# KiCad board spudglo_driver_v5p0.kicad_pcb
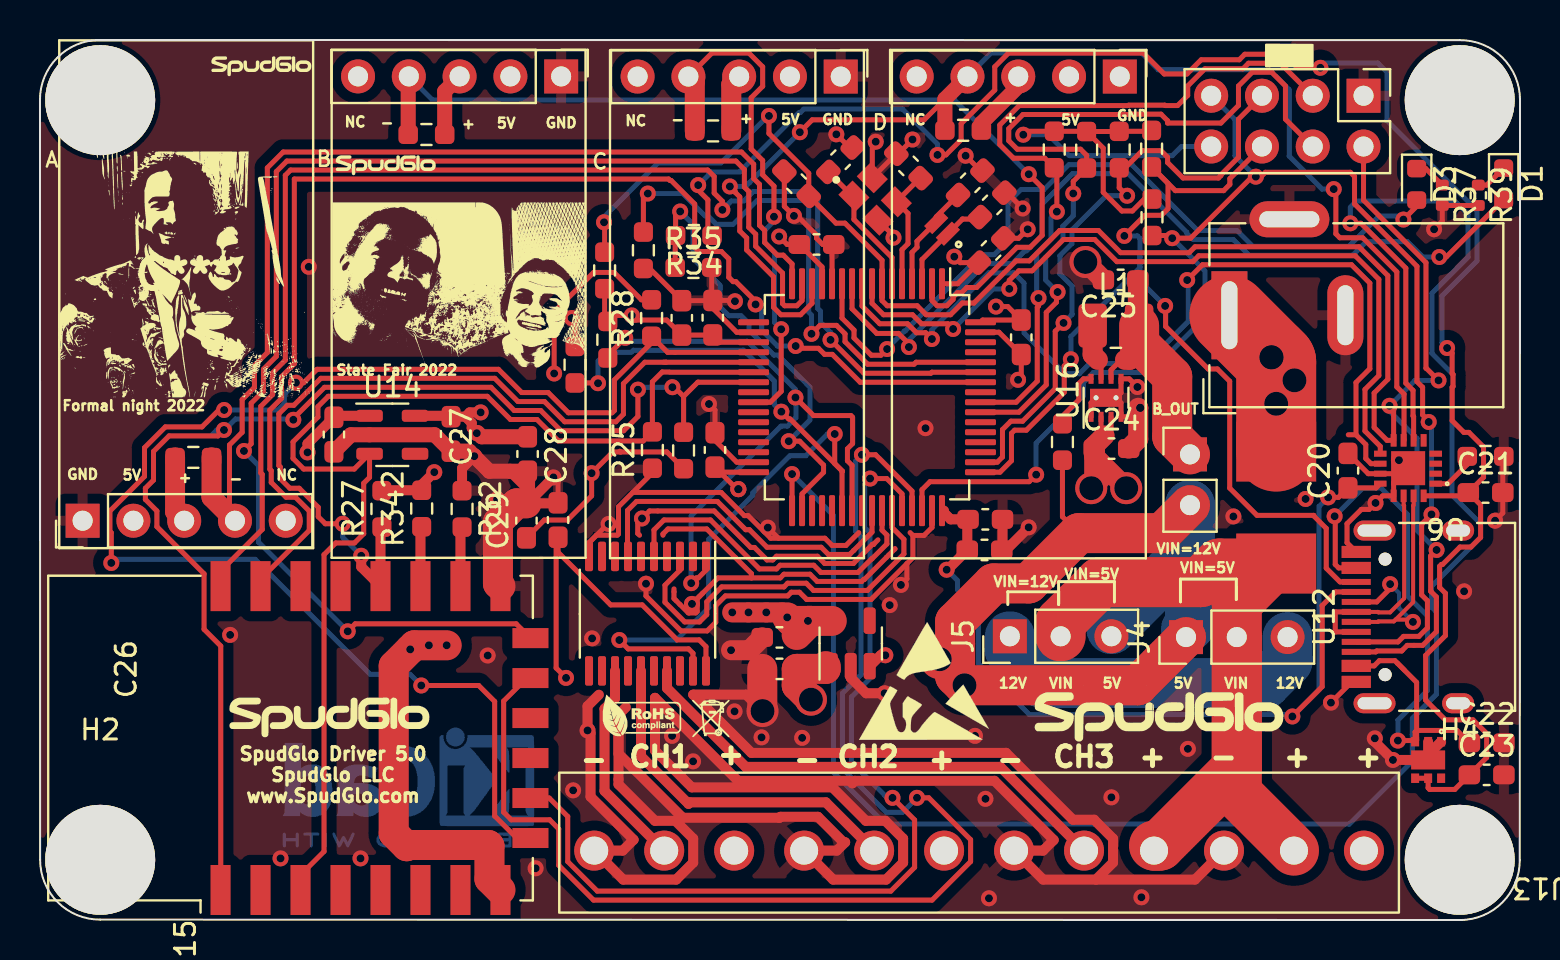
[diagram p0: board, top side]
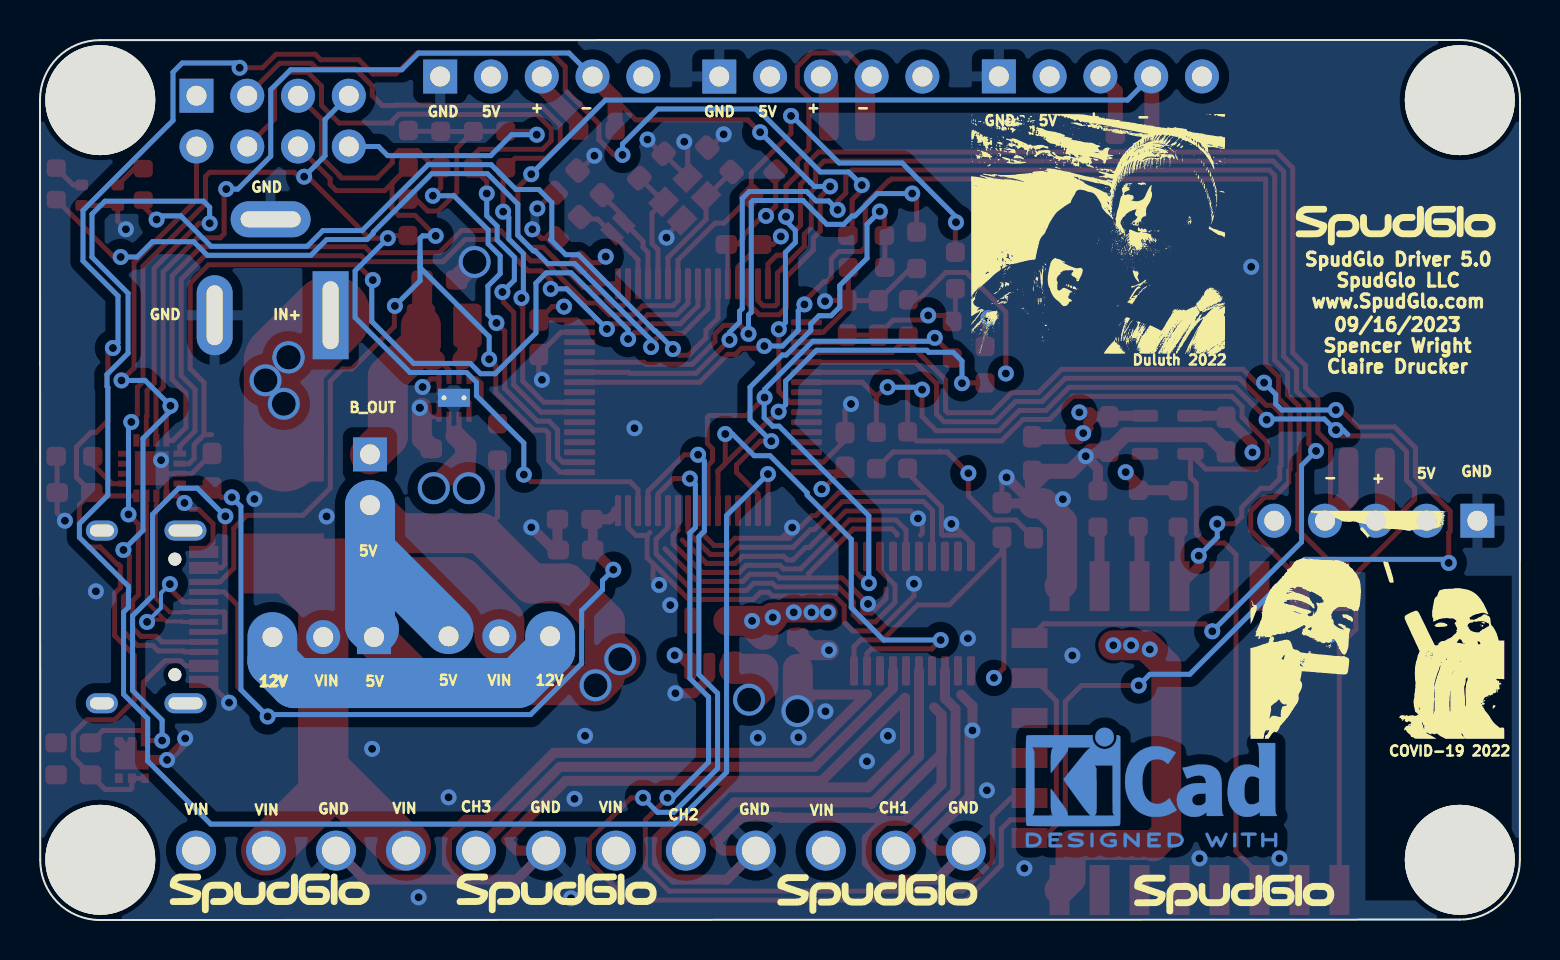
[diagram p1: board, bottom side, seen from below]

Outline 74.03 x 44.02 mm; copper layers: Top, GND.Cu (plane), PWR.Cu (plane), Bottom. Coordinates in mm from the lower left corner of the outline.
Outline path: 0,41.01 arc(0.87,43.14) 2.99,44.02 71.02,44.01 arc(73.14,43.15) 74.03,41.02 74.02,3.01 arc(73.15,0.88) 71.03,0 3.02,0.02 arc(0.89,0.89) 0.01,3.01 0,41.01
Stack: Top 0.035mm / dielectric 1.51mm FR4 er 4.5 / GND.Cu 0.035mm / dielectric 1.51mm FR4 er 4.5 / PWR.Cu 0.035mm / dielectric 1.51mm FR4 er 4.5 / Bottom 0.035mm

## Placement (name value [footprint] x y rotation side)
C3  6p  [C_0603_1608Metric_Pad1.08x0.95mm_HandSolder]  40.04 38.03 45 top
C4  8p  [C_0603_1608Metric_Pad1.08x0.95mm_HandSolder]  47.63 35.77 45 top
C5  8p  [C_0603_1608Metric_Pad1.08x0.95mm_HandSolder]  46.53 36.88 45 top
C6  0.1u  [C_0603_1608Metric_Pad1.08x0.95mm_HandSolder]  25.91 20.01 90 top
C7  6p  [C_0603_1608Metric_Pad1.08x0.95mm_HandSolder]  43.44 37.72 135 top
C8  0.1u  [C_0603_1608Metric_Pad1.08x0.95mm_HandSolder]  37.84 36.83 135 top
C9  0.1u  [C_0603_1608Metric_Pad1.08x0.95mm_HandSolder]  47.57 33.49 45 top
C10  0.1u  [C_0603_1608Metric_Pad1.08x0.95mm_HandSolder]  33.65 30.13 90 top
C11  0.1u  [C_0603_1608Metric_Pad1.08x0.95mm_HandSolder]  49.08 29.15 270 top
C12  0.1u  [C_0603_1608Metric_Pad1.08x0.95mm_HandSolder]  33.76 23.51 90 top
C13  0.1u  [C_0603_1608Metric_Pad1.08x0.95mm_HandSolder]  38.84 33.79 0 top
C14  4.7u  [C_0603_1608Metric_Pad1.08x0.95mm_HandSolder]  32.1 30.12 90 top
C15  1u  [C_0603_1608Metric_Pad1.08x0.95mm_HandSolder]  36.99 12.56 180 top
C16  0.01u  [C_0603_1608Metric_Pad1.08x0.95mm_HandSolder]  47.28 20.04 0 top
C17  1u  [C_0603_1608Metric_Pad1.08x0.95mm_HandSolder]  47.24 18.51 0 top
C18  1u  [C_0603_1608Metric_Pad1.08x0.95mm_HandSolder]  36.99 14.14 180 top
C20  1u  [C_0603_1608Metric_Pad1.08x0.95mm_HandSolder]  65.42 22.48 90 top
C21  1u  [C_0603_1608Metric_Pad1.08x0.95mm_HandSolder]  72.3 21.38 0 top
C22  1u  [C_0603_1608Metric_Pad1.08x0.95mm_HandSolder]  72.36 8.86 0 top
C23  1u  [C_0603_1608Metric_Pad1.08x0.95mm_HandSolder]  72.36 7.26 0 top
C24  10u  [C_0603_1608Metric_Pad1.08x0.95mm_HandSolder]  53.59 23.58 0 top
C25  22u  [C_0603_1608Metric_Pad1.08x0.95mm_HandSolder]  54.05 32.02 180 top
C26  1u  [C_0603_1608Metric_Pad1.08x0.95mm_HandSolder]  14.7 24.28 270 top
C27  1u  [C_0603_1608Metric_Pad1.08x0.95mm_HandSolder]  20.56 24.31 270 top
C28  1u  [C_0603_1608Metric_Pad1.08x0.95mm_HandSolder]  24.39 23.31 270 top
C29  10u  [C_0603_1608Metric_Pad1.08x0.95mm_HandSolder]  24.33 19.98 90 top
D1  GREEN LED  [LED_0603_1608Metric]  73.21 36.82 270 top
D3  RED_LED  [LED_0603_1608Metric]  68.86 36.8 270 top
F1  Fuse-2410FA  [2410FA]  65.83 23.43 270 top
G***  -  [LOGO]  11.07 42.71 0 top
G***#2  -  [LOGO]  33.55 10.07 0 top
G***#3  -  [LOGO]  17.29 37.75 0 top
G***#4  -  [LOGO]  30.12 10.2 0 top
G***#5  -  [LOGO]  20.98 31.66 0 top
G***#6  -  [LOGO]  14.47 10.13 0 top
G***#7  -  [LOGO]  7.26 32.29 0 top
G***#8  -  [LOGO]  55.9 10.32 0 top
G***#9  -  [LOGO]  14.3 1.27 180 bottom
G***#10  -  [LOGO]  6.22 34.73 180 bottom
G***#11  -  [LOGO]  7.13 14.77 180 bottom
G***#12  -  [LOGO]  62.54 1.33 180 bottom
G***#13  -  [LOGO]  21.1 34.33 180 bottom
G***#14  -  [LOGO]  48.19 1.33 180 bottom
G***#15  -  [LOGO]  32.15 1.3 180 bottom
H1  MountingHole  [MountingHole_5.5mm]  3.01 41.01 0 top
H2  MountingHole  [MountingHole_5.5mm]  3.01 3.01 0 top
H3  MountingHole  [MountingHole_5.5mm]  71.01 41.01 0 top
H4  MountingHole  [MountingHole_5.5mm]  71.01 3.01 0 top
J1  Conn_01x08_Male  [PinHeader_2x04_P2.54mm_Vertical]  66.2 41.23 270 top
J2  Barrel_Jack_Switch  [BarrelJack_Wuerth_6941xx301002]  59.49 30.25 90 top
J3  terminal_custom_12pin  [1984714]  66.22 3.47 180 top
J4  Conn_01x03_Pin  [PinHeader_1x03_P2.54mm_Vertical]  57.32 14.15 90 top
J5  Conn_01x03_Pin  [PinHeader_1x03_P2.54mm_Vertical]  48.51 14.19 90 top
J6  Conn_01x02_Pin  [PinHeader_1x02_P2.54mm_Vertical]  57.52 23.29 0 top
L1  L  [L_1008_2520Metric_Pad1.43x2.20mm_HandSolder]  53.81 29.73 0 top
R1  10k  [R_0603_1608Metric_Pad0.98x0.95mm_HandSolder]  7.67 23.14 0 top
R3  10k  [R_0603_1608Metric_Pad0.98x0.95mm_HandSolder]  46.17 39.5 180 top
R4  10k  [R_0603_1608Metric_Pad0.98x0.95mm_HandSolder]  33.66 39.47 180 top
R5  10k  [R_0603_1608Metric_Pad0.98x0.95mm_HandSolder]  19.33 39.29 180 top
R10  10k  [R_0603_1608Metric_Pad0.98x0.95mm_HandSolder]  72.3 23.19 0 top
R13  10k  [R_0603_1608Metric_Pad0.98x0.95mm_HandSolder]  30.18 33.5 270 top
R14  10k  [R_0603_1608Metric_Pad0.98x0.95mm_HandSolder]  28.4 29.03 270 top
R15  10k  [R_0603_1608Metric_Pad0.98x0.95mm_HandSolder]  28.24 32.49 90 top
R17  10k  [R_0603_1608Metric_Pad0.98x0.95mm_HandSolder]  26.76 27.78 90 top
R18  10k  [R_0603_1608Metric_Pad0.98x0.95mm_HandSolder]  55.62 35.15 270 top
R19  10k  [R_0603_1608Metric_Pad0.98x0.95mm_HandSolder]  55.6 38.58 270 top
R20  10k  [R_0603_1608Metric_Pad0.98x0.95mm_HandSolder]  53.98 38.54 270 top
R21  10k  [R_0603_1608Metric_Pad0.98x0.95mm_HandSolder]  52.35 38.53 270 top
R22  10k  [R_0603_1608Metric_Pad0.98x0.95mm_HandSolder]  50.73 38.54 270 top
R23  10k  [R_0603_1608Metric_Pad0.98x0.95mm_HandSolder]  51.14 23.91 90 top
R25  10k  [R_0603_1608Metric_Pad0.98x0.95mm_HandSolder]  30.63 23.51 90 top
R26  10k  [R_0603_1608Metric_Pad0.98x0.95mm_HandSolder]  32.19 23.49 270 top
R27  10k  [R_0603_1608Metric_Pad0.98x0.95mm_HandSolder]  17.1 20.56 90 top
R28  10k  [R_0603_1608Metric_Pad0.98x0.95mm_HandSolder]  30.59 30.11 90 top
R32  10k  [R_0603_1608Metric_Pad0.98x0.95mm_HandSolder]  21.11 20.56 270 top
R34  10k  [R_0603_1608Metric_Pad0.98x0.95mm_HandSolder]  32.7 34.24 180 top
R35  28k  [R_0603_1608Metric_Pad0.98x0.95mm_HandSolder]  32.68 32.64 0 top
R37  100  [R_0402_1005Metric]  70.14 36.25 270 top
R39  100  [R_0402_1005Metric]  71.94 36.25 270 top
R342  10k  [R_0603_1608Metric_Pad0.98x0.95mm_HandSolder]  19.09 20.58 90 top
REF**  -  [ESD-Logo_6.6x6mm_SilkScreen]  44.22 11.97 0 top
REF**#2  -  [KiCad-Logo2_5mm_Copper]  18.44 6.64 180 bottom
U1  receiver_433MHz  [PinHeader_1x05_P2.54mm_Vertical]  2.13 19.97 90 top
U3  receiver_433MHz  [PinHeader_1x05_P2.54mm_Vertical]  54.01 42.19 270 top
U4  receiver_433MHz  [PinHeader_1x05_P2.54mm_Vertical]  40.05 42.19 270 top
U5  receiver_433MHz  [PinHeader_1x05_P2.54mm_Vertical]  26.07 42.2 270 top
U6  -  [XR21B1411]  69.81 21.82 180 top
U7  ECS-.327-9-1210-TR  [XTAL_ECS-.327-9-1210-TR]  45.12 34.62 135 top
U8  ECS-480-8-36-RWN-TR  [XTAL_ECS-480-8-36-RWN-TR]  41.77 36.07 315 top
U9  SN74HCT245PW  [TSSOP-20_4.4x6.5mm_P0.65mm]  30.39 15.32 270 top
U10  STM32L431RCTx  [LQFP-64_10x10mm_P0.5mm]  41.37 26.15 270 top
U11  LP5907MFX-3.3  [SOT-23-5]  40.55 13.83 90 top
U12  USB-C-31-M-12  [USB_C_Receptacle_HRO_TYPE-C-31-M-12]  69.88 15.16 90 top
U13  -  [NCP361]  70.08 6.62 180 top
U14  LP5907MFX-3.3  [SOT-23-5]  17.62 24.27 0 top
U15  ESP-12F  [ESP-12E]  12.53 9.1 90 top
U16  TPS62163DSG  [WSON-8-1EP_2x2mm_P0.5mm_EP0.9x1.6mm_ThermalVias]  53.32 26.12 90 top

## Library data of the parts
D1 D3 = -: Description: Light emitting diode
H1-H4 = -: Description: Mounting Hole without connection
J1 = -: Description: Generic connector, single row, 01x08, script generated (kicad-library-utils/schlib/autogen/connector/)
J2 = -: Description: DC Barrel Jack with an internal switch
J4 J5 = -: Description: Generic connector, single row, 01x03, script generated
J6 = -: Description: Generic connector, single row, 01x02, script generated
L1 = -: Description: Inductor
R1 R3-R5 R10 R13-R15 R17-R23 R25-R28 R32 R34 R35 R37 R39 R342 = -: Description: Resistor
U7 = -: Description: Two pin crystal
U8 = -: AVAILABILITY: Good; DESCRIPTION: The minature ECX-2236 is a compact SMD Crystal. The industry standard 2.5 x 2.0 x 0.55 mm ceramic package is ideal for today’s SMD manufacturing environment.; MF: ECS INC; MP: ECX-2236; PACKAGE: SMD-4 ECX; PARTREV: 2017; STANDARD: Manufacturer Recommendation
U11 U14 = -: Description: 250-mA Ultra-Low-Noise Low-IQ LDO, 3.3V, SOT-23
U15 = -: Description: 802.11 b/g/n Wi-Fi Module
U16 = -: Description: 1A Step-Down Converter with DCS-Control, fixed 5.0V output, 3-17V input voltage, WSON-8

## Footprints (pads in the part's own frame, mm; a bottom-side part is the same pattern mirrored in y, then rotated)
2410FA
  rect 3x4 smd: 1(0,-4) 2(5.6,-4)
1984714
  round 2 hole 1.4: 1(0,0) 2(3.5,0) 3(7,0) 4(10.5,0) 5(14,0) 6(17.5,0) 7(21,0) 8(24.5,0) 9(28,0) 10(31.5,0) 11(35,0) 12(38.5,0)
BarrelJack_Wuerth_6941xx301002
  rect 4.4x1.8 hole 3.4x0.8: 1(0,0)
  oval 4x1.8 hole 3x0.8: 2(0,-5.8)
  oval 1.8x4 hole 0.8x3: 3(4.8,-3)
C_0603_1608Metric_Pad1.08x0.95mm_HandSolder
  rrect 1.075x0.95 smd: 1(-0.863,0) 2(0.863,0)
ESP-12E
  rect 2.5x1 smd: 1(-7.6,3.5) 2(-7.6,1.5) 3(-7.6,-0.5) 4(-7.6,-2.5) 5(-7.6,-4.5) 6(-7.6,-6.5) 7(-7.6,-8.5) 8(-7.6,-10.5) 15(7.6,-10.5) 16(7.6,-8.5) 17(7.6,-6.5) 18(7.6,-4.5) 19(7.6,-2.5) 20(7.6,-0.5) 21(7.6,1.5) 22(7.6,3.5)
  rect 1x1.8 smd: 9(-5,-12) 10(-3,-12) 11(-1,-12) 12(1,-12) 13(3,-12) 14(5,-12)
L_1008_2520Metric_Pad1.43x2.20mm_HandSolder
  rrect 1.425x2.2 smd: 1(-1.163,0) 2(1.163,0)
LED_0603_1608Metric
  rrect 0.875x0.95 smd: 1(-0.787,0) 2(0.787,0)
LQFP-64_10x10mm_P0.5mm
  rrect 1.55x0.3 smd: 1(-5.675,3.75) 2(-5.675,3.25) 3(-5.675,2.75) 4(-5.675,2.25) 5(-5.675,1.75) 6(-5.675,1.25) 7(-5.675,0.75) 8(-5.675,0.25) 9(-5.675,-0.25) 10(-5.675,-0.75) 11(-5.675,-1.25) 12(-5.675,-1.75) 13(-5.675,-2.25) 14(-5.675,-2.75) 15(-5.675,-3.25) 16(-5.675,-3.75) 33(5.675,-3.75) 34(5.675,-3.25) 35(5.675,-2.75) 36(5.675,-2.25) 37(5.675,-1.75) 38(5.675,-1.25) 39(5.675,-0.75) 40(5.675,-0.25) 41(5.675,0.25) 42(5.675,0.75) 43(5.675,1.25) 44(5.675,1.75) 45(5.675,2.25) 46(5.675,2.75) 47(5.675,3.25) 48(5.675,3.75)
  rrect 0.3x1.55 smd: 17(-3.75,-5.675) 18(-3.25,-5.675) 19(-2.75,-5.675) 20(-2.25,-5.675) 21(-1.75,-5.675) 22(-1.25,-5.675) 23(-0.75,-5.675) 24(-0.25,-5.675) 25(0.25,-5.675) 26(0.75,-5.675) 27(1.25,-5.675) 28(1.75,-5.675) 29(2.25,-5.675) 30(2.75,-5.675) 31(3.25,-5.675) 32(3.75,-5.675) 49(3.75,5.675) 50(3.25,5.675) 51(2.75,5.675) 52(2.25,5.675) 53(1.75,5.675) 54(1.25,5.675) 55(0.75,5.675) 56(0.25,5.675) 57(-0.25,5.675) 58(-0.75,5.675) 59(-1.25,5.675) 60(-1.75,5.675) 61(-2.25,5.675) 62(-2.75,5.675) 63(-3.25,5.675) 64(-3.75,5.675)
MountingHole_5.5mm
  round 5.5 hole 5.5 unplated: (0,0)
NCP361
  rect 0.4x0.47 smd: 1(0,-2.3) 2(0.65,-2.3) 3(1.3,-2.3) 4(1.3,-0.47) 5(0.65,-0.47) 6(0,-0.47)
  rect 1.7x0.95 smd: EPAD(0.65,-1.385)
PinHeader_1x02_P2.54mm_Vertical
  rect 1.7x1.7 hole 1: 1(0,0)
  oval 1.7x1.7 hole 1: 2(0,-2.54)
PinHeader_1x03_P2.54mm_Vertical
  rect 1.7x1.7 hole 1: 1(0,0)
  oval 1.7x1.7 hole 1: 2(0,-2.54) 3(0,-5.08)
PinHeader_1x05_P2.54mm_Vertical
  rect 1.7x1.7 hole 1: 1(0,0)
  oval 1.7x1.7 hole 1: 2(0,-2.54) 3(0,-5.08) 4(0,-7.62) 5(0,-10.16)
PinHeader_2x04_P2.54mm_Vertical
  rect 1.7x1.7 hole 1: 1(0,0)
  oval 1.7x1.7 hole 1: 2(2.54,0) 3(0,-2.54) 4(2.54,-2.54) 5(0,-5.08) 6(2.54,-5.08) 7(0,-7.62) 8(2.54,-7.62)
R_0402_1005Metric
  rrect 0.54x0.64 smd: 1(-0.51,0) 2(0.51,0)
R_0603_1608Metric_Pad0.98x0.95mm_HandSolder
  rrect 0.975x0.95 smd: 1(-0.912,0) 2(0.912,0)
SOT-23-5
  rrect 1.325x0.6 smd: 1(-1.137,0.95) 2(-1.137,0) 3(-1.137,-0.95) 4(1.137,-0.95) 5(1.137,0.95)
TSSOP-20_4.4x6.5mm_P0.65mm
  rrect 1.475x0.4 smd: 1(-2.862,2.925) 2(-2.862,2.275) 3(-2.862,1.625) 4(-2.862,0.975) 5(-2.862,0.325) 6(-2.862,-0.325) 7(-2.862,-0.975) 8(-2.862,-1.625) 9(-2.862,-2.275) 10(-2.862,-2.925) 11(2.862,-2.925) 12(2.862,-2.275) 13(2.862,-1.625) 14(2.862,-0.975) 15(2.862,-0.325) 16(2.862,0.325) 17(2.862,0.975) 18(2.862,1.625) 19(2.862,2.275) 20(2.862,2.925)
USB_C_Receptacle_HRO_TYPE-C-31-M-12
  round 0.65 hole 0.65 unplated: (-2.89,2.6) (2.89,2.6)
  rect 0.6x1.45 smd: A1(-3.25,4.045) A4(-2.45,4.045) A9(2.45,4.045) A12(3.25,4.045) B1(3.25,4.045) B4(2.45,4.045) B9(-2.45,4.045) B12(-3.25,4.045)
  rect 0.3x1.45 smd: A5(-1.25,4.045) A6(-0.25,4.045) A7(0.25,4.045) A8(1.25,4.045) B5(1.75,4.045) B6(0.75,4.045) B7(-0.75,4.045) B8(-1.75,4.045)
  oval 1x2.1 hole 0.6x1.7: S1(-4.32,3.13) S1(4.32,3.13)
  oval 1x1.6 hole 0.6x1.2: S1(-4.32,-1.05) S1(4.32,-1.05)
WSON-8-1EP_2x2mm_P0.5mm_EP0.9x1.6mm_ThermalVias
  rect 0.75x0.65 smd: (0,0.4) (0,-0.4)
  rect 0.5x0.25 smd: 1(-0.95,0.75) 2(-0.95,0.25) 3(-0.95,-0.25) 4(-0.95,-0.75) 5(0.95,-0.75) 6(0.95,-0.25) 7(0.95,0.25) 8(0.95,0.75)
  round 0.6 hole 0.25: 9(0,0.5) 9(0,-0.5)
  rect 0.9x1.6 smd: 9(0,0)
  rect 0.9x1.6 smd far side: 9(0,0)
XR21B1411
  rect 0.625x0.3 smd: 1(0,-0.005) 2(0,-0.505) 3(0,-1.005) 4(0,-1.505) 9(2.775,-1.505) 10(2.775,-1.005) 11(2.775,-0.505) 12(2.775,-0.005)
  rect 0.3x0.625 smd: 5(0.608,-2.172) 6(1.107,-2.172) 7(1.607,-2.172) 8(2.107,-2.172) 13(2.107,0.603) 14(1.607,0.603) 15(1.107,0.603) 16(0.608,0.603)
  rect 1.7x1.7 smd: EPAD(1.383,-0.78)
XTAL_ECS-480-8-36-RWN-TR
  rect 1.2x1 smd: 1(-0.85,-0.65) 2(0.85,-0.65) 3(0.85,0.65) 4(-0.85,0.65)
XTAL_ECS-.327-9-1210-TR
  rect 0.575x1.14 smd: 1(-0.413,0) 2(0.413,0)

## Nets
5V_SWITCH_PG: R23.2 U16.8
+3V3: C9.1 C10.1 C11.1 C12.1 C13.1 C14.1 C16.1 C17.1 C18.1 C20.1 J1.8 R14.1 R15.1 R18.1 R19.1 R20.1 R21.1 R22.1 U6.12 U10.1 U10.13 U10.19 U10.32 U10.48 U10.64 U11.5 U12.A8
+5V: C6.1 C15.1 C26.1 J4.1 J5.3 J6.2 R23.1 U1.2 U3.2 U4.2 U5.2 U9.20 U11.1 U11.3 U14.1
+12V: C24.1 J4.3 J5.1 U16.2 U16.3
GND1: C3.2 C4.2 C5.2 C6.2 C7.2 C8.2 C9.2 C10.2 C11.2 C12.2 C13.2 C14.2 C15.2 C16.2 C17.2 C18.2 C20.2 C21.2 C22.2 C23.2 C24.2 C25.2 C26.2 C27.2 C28.2 C29.2 J1.1 J2.2 J2.3 J3.3 J3.6 J3.9 J3.12 R10.2 R13.2 R17.2 R25.1 R32.1 R35.2 R37.2 R39.2 U1.1 U3.1 U4.1 U5.1 U6.11 U6.13 U6.EPAD U8.2 U8.4 U9.10 U10.12 U10.18 U10.31 U10.47 U10.63 U11.2 U12.A1 U12.A12 U12.B1 U12.B12 U13.1 U13.2 U13.EPAD U14.2 U15.15 U16.1 U16.4 U16.5 U16.9
VBUS: C21.1 C23.1 R34.1 U6.16 U13.4 U13.5
VBUS_PRESENT: R34.2 R35.1 U10.34
VIN: F1.2 J3.1 J3.2 J3.4 J3.7 J3.10 J4.2 J5.2
/spudglo_v5p0_micro/BOOT0: R13.1 U10.60
/spudglo_v5p0_micro/GREEN_LED: D1.2 U10.10
/spudglo_v5p0_micro/JTDI: J1.5 R20.2 U10.50
/spudglo_v5p0_micro/JTDO: J1.4 R21.2 U10.55
/spudglo_v5p0_micro/LVL_DIR: R14.2 U9.1 U10.39
/spudglo_v5p0_micro/LVL_EN: R17.1 U9.19 U10.38
/spudglo_v5p0_micro/NJTRST: J1.3 R22.2 U10.56
/spudglo_v5p0_micro/OSC32K_HI: C4.1 U7.1 U10.3
/spudglo_v5p0_micro/OSC32K_LO: C5.1 U7.2 U10.4
/spudglo_v5p0_micro/OSC48_HI: C7.1 U8.3 U10.5
/spudglo_v5p0_micro/OSC48_LO: C3.1 U8.1 U10.6
/spudglo_v5p0_micro/RED_LED: D3.2 U10.11
ESP8266_3V3: C27.1 C28.1 C29.1 R26.2 R27.2 R28.2 R342.2 U14.5 U15.8
ESP8266_CSN: R28.1 U10.20 U15.9
ESP8266_EN: R25.2 U10.22 U14.3 U15.3
ESP8266_GPIO0: R27.1 U10.21 U15.18
ESP8266_MISO: U10.44 U15.10
ESP8266_MOSI: U10.45 U15.13
ESP8266_RST: R26.1 U10.23 U15.1
ESP8266_RXD: U10.58 U15.21
ESP8266_SCK: U10.15 U15.14
ESP8266_TXD: U10.59 U15.22
NRST: C8.1 J1.2 R15.2 U6.8 U10.7 U12.B8
SWCLK: J1.6 R19.2 U10.49 U12.B5
SWDIO: J1.7 R18.2 U10.46 U12.A5
TIM1_CH1: U9.7 U10.41
TIM1_CH1_SHIFT: J3.11 U9.13
TIM1_CH2: U9.5 U10.42
TIM1_CH2_SHIFT: J3.8 U9.15
TIM1_CH3: U9.3 U10.43
TIM1_CH3_SHIFT: J3.5 U9.17
USBD+: U6.15 U12.A6 U12.B6
USBD-: U6.14 U12.A7 U12.B7
WKUP1: R3.2 U3.4 U6.7 U10.14
WKUP2: R5.2 U5.4 U10.2
WKUP3: R4.2 U4.4 U10.25
WKUP4: R1.2 U1.4 U10.16
XR_GPIO: U6.6 U10.33
XR_RX: U6.10 U10.9
XR_TX: U6.9 U10.8
Net-(D1-K): D1.1 R39.1
Net-(D3-K): D3.1 R37.1
Net-(F1-Pad1): F1.1 J2.1
Net-(J6-Pin_1): C25.1 J6.1 L1.2 U16.6
Net-(U1-OUT+): R1.1 U1.3
Net-(U3-OUT+): R3.1 U3.3
Net-(U4-OUT+): R4.1 U4.3
Net-(U5-OUT+): R5.1 U5.3
Net-(U6-LOWPOWER): R10.1 U6.1
Net-(U12-VBUS1): C22.1 U12.A4 U12.A9 U12.B4 U12.B9 U13.3
Net-(U15-GPIO2): R342.1 U15.17
Net-(U15-GPIO15): R32.2 U15.16
Net-(U16-SW): L1.1 U16.7

Pads without a net: U1 5; U3 5; U4 5; U5 5; U6 2 3 4 5; U9 2 4 6 8 9 11 12 14 16 18; U10 17 24 26 27 28 29 30 35 36 37 40 51 52 53 54 57 61 62; U11 4; U12 S1; U13 6; U14 4; U15 2 4 5 6 7 11 12 19 20

## Via types
v1: diameter 1.6, hole 1.2, Top to Bottom, 11 vias
v2: diameter 0.8, hole 0.4, Top to Bottom, 159 vias

## Routing (per net, layer and track width the routed paths; a pad name or vN(x,y) marks a point on that pad's centre or on a via; arc(x,y) is an arc through that point)
5V_SWITCH_PG: length 3.1
  Top w0.25: 51.06,24.82 51.06,25.12 51.96,26.02 51.96,26.84 52.2,27.07 U16.8
+3V3: length 103.1
  Top w0.25: U6.12 66.83,21.62 C20.1 64.95,21.14 v2(64.43,21.14) ; v2(34.93,21.55) 34.86,21.55 C12.1 34.01,22.4 U10.32 ; U10.64 47.15,30.01 C11.1 48.41,30.68 v2(47.82,30.68) ; v2(45.73,33.18) 46.03,32.88 C9.1 45.91,31.83 U10.1 ; R15.1 28.24,30.1 R14.1 28.7,30.24 v2(29.6,30.24) 29.83,30.01 31.35,30.01 C14.1 33.64,29.26 C10.1 34.02,28.9 U10.19 ; 58.85,39.03 58.79,39.1 58.62,39.1 ; R21.1 53.18,38.61 53.18,36.4 54.11,35.47 54.64,35.47 55.24,36.06 R18.1 ; R21.1 52.34,39.45 R22.1 49.35,39.45 v2(49.18,39.28) ; R21.1 53.97,39.44 R20.1 55.56,39.45 R19.1 ; U10.13 39.12,32.67 37.99,33.79 C13.1 37.37,33.79 v2(36.97,34.19) ; U12.A8 64.81,16.41 64.13,15.73 64.13,11.67 v2(62.64,10.18)
  Top w0.5: v2(45.35,17.52) 45.39,17.52 C17.1 46.38,20 C16.1 45.55,20.04 45.22,20.38 45.22,20.48
  Top w1: v2(37.37,15.14) 37.12,15.39 v2(36.33,15.39) v2(35.44,15.39) v2(34.63,15.39)
  Top w1.5: v2(38.41,14.96) 38.55,14.96 37.85,14.26 ; v2(38.41,14.96) 37.55,14.96 v2(37.37,15.14) ; v2(38.41,14.96) 39.6,14.96
  Bottom w0.25: v2(49.18,39.28) 50.44,39.28 51.48,38.24 56.64,38.24 57.09,38.69 J1.8 ; v2(64.43,21.14) 63.98,20.69 63.98,11.52 v2(62.64,10.18) 62.55,10.28 49.49,10.28 46.94,12.83 46.94,15.48 45.89,16.52 45.89,16.98 v2(45.35,17.52)
+5V: length 79.7
  Top w0.25: U9.20 33.31,13.67 32.97,14.01 31.87,14.01 30.12,15.76 28.55,15.76 25.91,18.4 C6.1 25.82,19.05 25.82,12.61 v2(26.31,12.11) ; 51.96,19.35 51.14,20.17 51.14,22.91 51.06,22.99
  Top w0.5: U11.3 42.05,13.24 v2(42.28,13.24) ; v2(13.38,23.39) 13.38,23.83 C26.1 14.78,25.22 U14.1
  Top w1.5: 39.3,12.7 39.3,12.56 C15.1 37.85,11.73 v1(38.56,11.02)
  Top w2: 45.77,13.81 v1(45.01,13.05) ; 45.77,13.81 45.77,12.21 v1(46.24,11.74) 54.91,11.74 J4.1 ; 45.77,13.81 45.77,14.92 47.69,16.84 49.45,16.84 51.96,19.35 56.12,19.35 J6.2
  PWR.Cu w2: J5.3 57.28,14.19 J4.1
  Bottom w2.5: 57.32,14.55 57.52,14.75 J6.2 57.52,18.48 53.59,14.55
+12V: length 55.4
  Top w0.25: U16.2 53.07,24.41 53.25,24.24 53.57,24.56 U16.3
  Top w1: v1(54.33,21.6) 52.73,23.2 C24.1 ; C24.1 52.73,23.72 53.25,24.24 ; C24.1 52.73,21.75 v1(52.58,21.6) 53.22,22.24
  PWR.Cu w2: 55.63,18.56 54.33,19.85 v1(54.33,21.6) v1(52.58,21.6) ; 55.63,18.56 57.39,16.8 60.98,16.8 62.4,15.38 J4.3 ; 55.63,18.56 53.38,20.81 ; 52.06,19.49 52.58,20.01 v1(52.58,21.6) ; 52.06,19.49 53.38,20.81 ; 52.06,19.49 48.51,15.94 J5.1 ; 53.38,20.81 v1(52.58,21.6)
  Bottom w2.5: J5.1 48.51,13.48 50.14,11.85 61.3,11.85 62.4,12.95 J4.3